# KiCad board OpenWaterHub.kicad_pcb (continued)
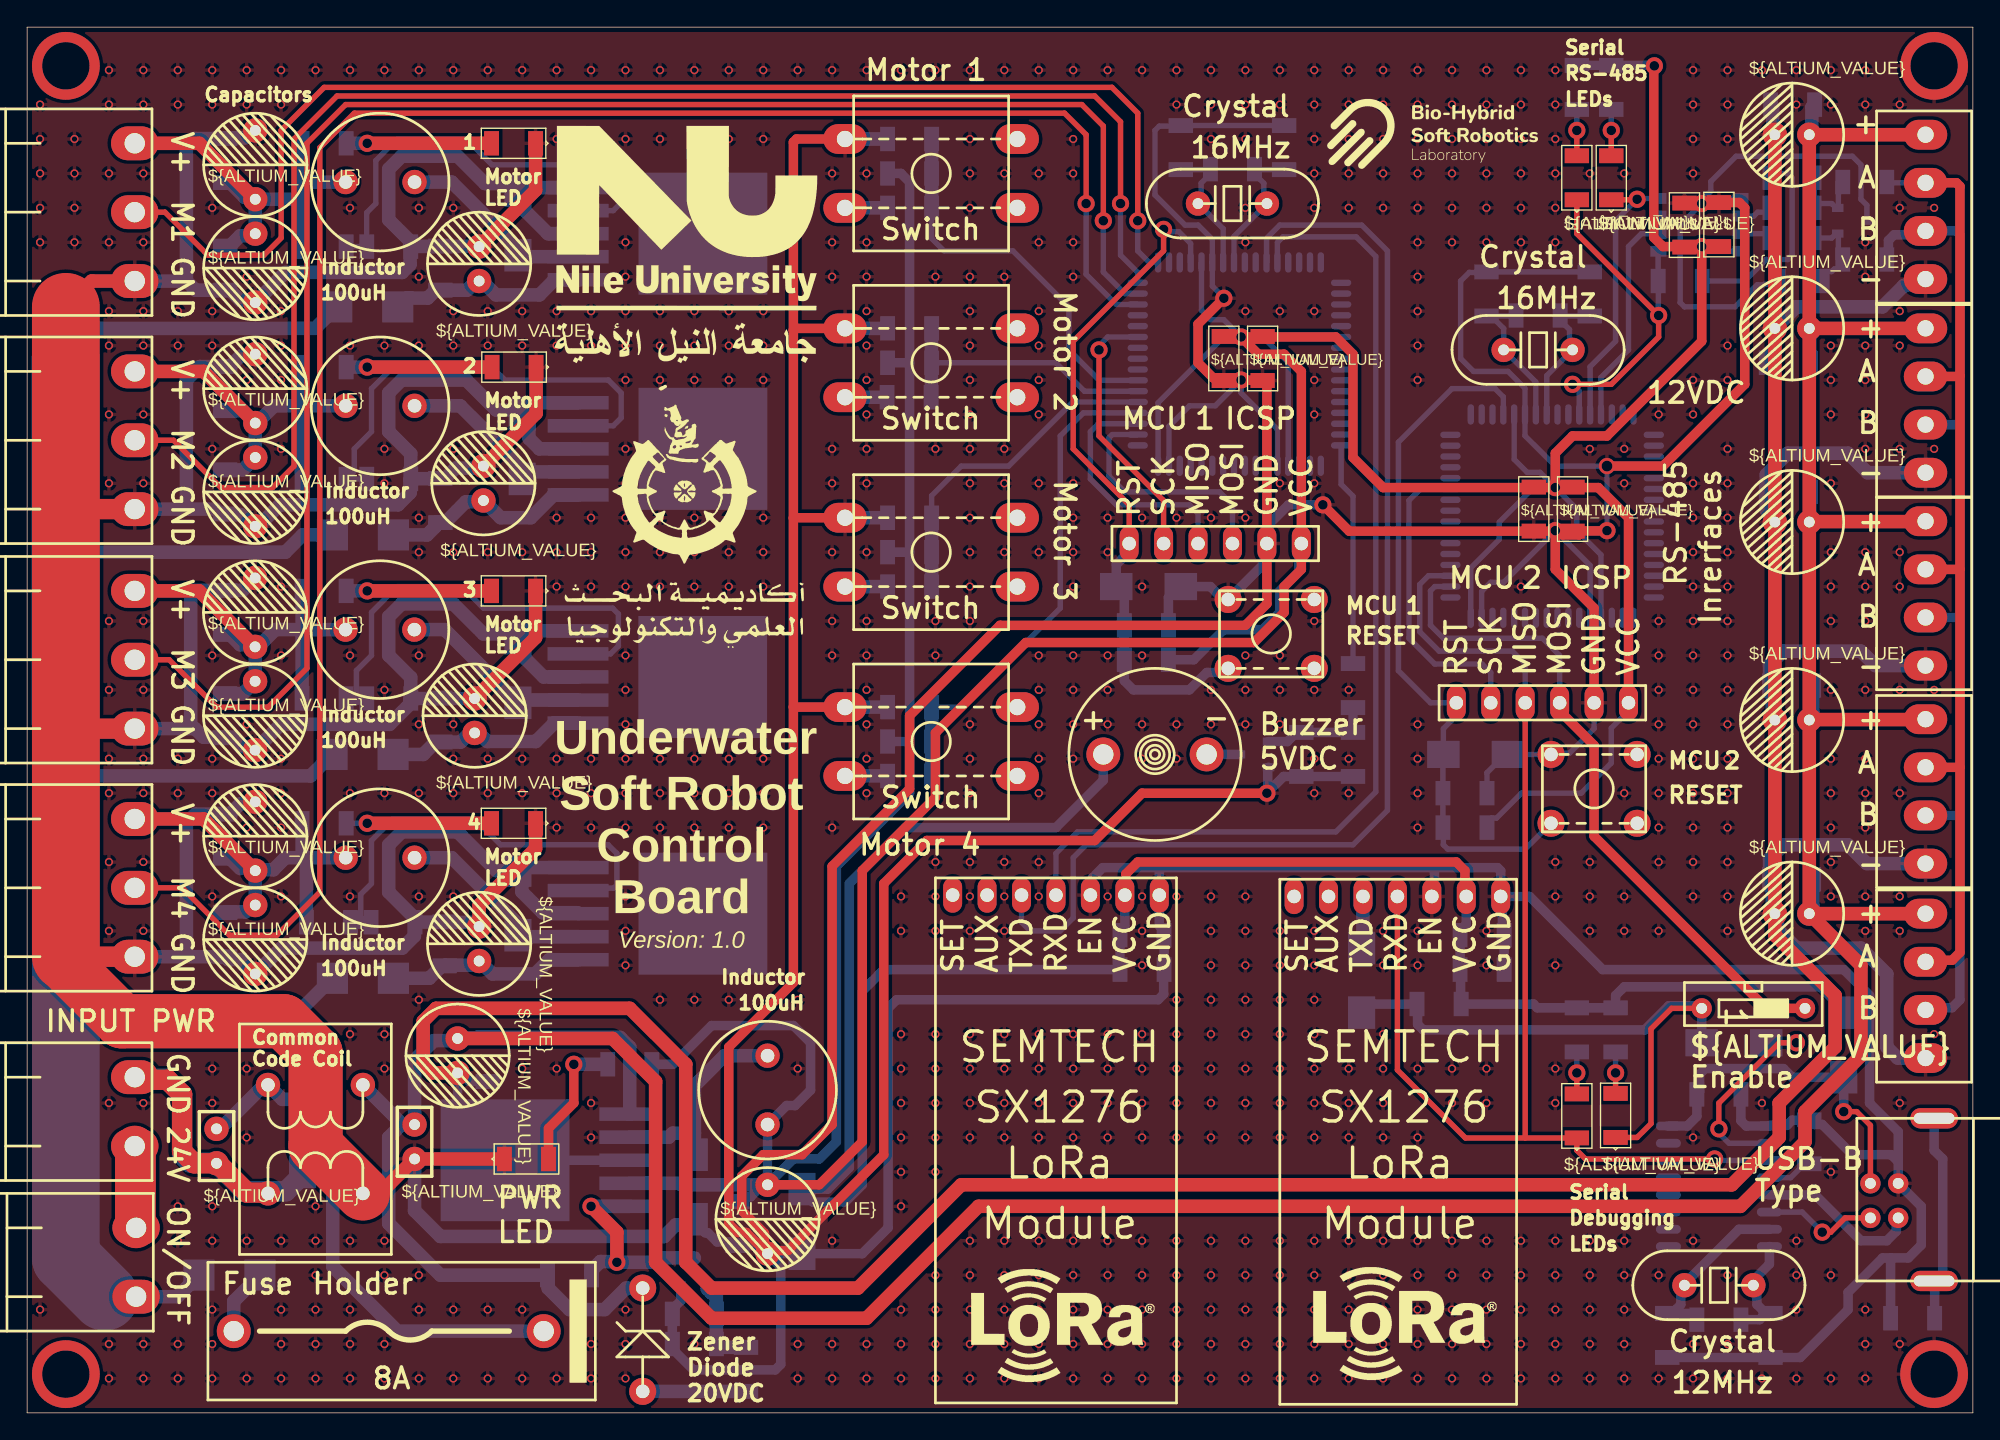
[diagram p0: board, top side]
## Routing (per net, layer and track width the routed paths; a pad name or vN(x,y) marks a point on that pad's centre or on a via; arc(x,y) is an arc through that point) (continued)
  vias: v1(140.65,99.38) v1(140.65,2.86) v2(0.95,96.52) v2(0.95,93.98) v2(0.95,91.44) v2(0.95,88.9) v2(0.95,86.36) v2(0.95,7.62) v2(3.49,93.98) v2(3.49,91.44) v2(3.49,88.9) v2(3.49,86.36) v2(6.03,99.06) v2(6.03,96.52) v2(6.03,91.44) v2(6.03,86.36) v2(6.03,81.28) v2(6.03,78.74) v2(6.03,73.66) v2(6.03,68.58) v2(6.03,58.42) v2(6.03,53.34) v2(6.03,48.26) v2(6.03,45.72) v2(6.03,40.64) v2(6.03,35.56) v2(6.03,22.86) v2(6.03,5.08) v2(6.03,2.54) v2(8.57,99.06) v2(8.57,96.52) v2(8.57,91.44) v2(8.57,86.36) v2(8.57,81.28) v2(8.57,78.74) v2(8.57,73.66) v2(8.57,68.58) v2(8.57,58.42) v2(8.57,53.34) v2(8.57,48.26) v2(8.57,45.72) v2(8.57,40.64) v2(8.57,35.56) v2(8.57,22.86) v2(8.57,5.08) v2(8.57,2.54) v2(11.11,99.06) v2(11.11,96.52) v2(11.11,81.28) v2(11.11,78.74) v2(11.11,48.26) v2(11.11,45.72) v2(11.11,15.24) v2(11.11,12.7) v2(11.11,5.08) v2(11.11,2.54) v2(13.65,99.06) v2(13.65,96.52) v2(13.65,88.9) v2(13.65,81.28) v2(13.65,78.74) v2(13.65,71.12) v2(13.65,55.88) v2(13.65,48.26) v2(13.65,45.72) v2(13.65,38.1) v2(13.65,25.4) v2(13.65,22.86) v2(13.65,15.24) v2(13.65,12.7) v2(13.65,7.62) v2(13.65,5.08) v2(13.65,2.54) v2(16.19,99.06) v2(16.19,96.52) v2(16.19,83.82) v2(16.19,76.2) v2(16.19,50.8) v2(16.19,43.18) v2(16.19,25.4) v2(16.19,20.32) v2(16.19,12.7) v2(16.19,2.54) v2(18.73,99.06) v2(18.73,96.52) v2(18.73,81.28) v2(18.73,78.74) v2(18.73,76.2) v2(18.73,71.12) v2(18.73,60.96) v2(18.73,55.88) v2(18.73,48.26) v2(18.73,45.72) v2(18.73,43.18) v2(18.73,38.1) v2(18.73,12.7) v2(18.73,7.62) v2(18.73,5.08) v2(18.73,2.54) v2(21.27,99.06) v2(21.27,15.24) v2(21.27,12.7) v2(21.27,10.16) v2(21.27,7.62) v2(21.27,5.08) v2(21.27,2.54) v2(23.81,99.06) v2(23.81,88.9) v2(23.81,78.74) v2(23.81,55.88) v2(23.81,45.72) v2(23.81,38.1) v2(23.81,27.94) v2(23.81,12.7) v2(23.81,7.62) v2(23.81,5.08) v2(23.81,2.54) v2(26.35,99.06) v2(26.35,78.74) v2(26.35,71.12) v2(26.35,68.58) v2(26.35,53.34) v2(26.35,45.72) v2(26.35,27.94) v2(26.35,25.4) v2(26.35,12.7) v2(26.35,10.16) v2(26.35,5.08) v2(26.35,2.54) v2(28.89,99.06) v2(28.89,88.9) v2(28.89,83.82) v2(28.89,78.74) v2(28.89,66.04) v2(28.89,63.5) v2(28.89,55.88) v2(28.89,50.8) v2(28.89,45.72) v2(28.89,38.1) v2(28.89,30.48) v2(28.89,10.16) v2(28.89,7.62) v2(28.89,2.54) v2(31.43,99.06) v2(31.43,88.9) v2(31.43,81.28) v2(31.43,78.74) v2(31.43,71.12) v2(31.43,63.5) v2(31.43,50.8) v2(31.43,48.26) v2(31.43,45.72) v2(31.43,38.1) v2(31.43,7.62) v2(31.43,2.54) v2(33.97,99.06) v2(33.97,81.28) v2(33.97,78.74) v2(33.97,63.5) v2(33.97,48.26) v2(33.97,45.72) v2(33.97,7.62) v2(33.97,2.54) v2(36.51,99.06) v2(36.51,81.28) v2(36.51,78.74) v2(36.51,63.5) v2(36.51,48.26) v2(36.51,45.72) v2(36.51,25.4) v2(36.51,7.62) v2(36.51,2.54) v2(39.05,99.06) v2(39.05,93.98) v2(39.05,81.28) v2(39.05,78.74) v2(39.05,66.04) v2(39.05,63.5) v2(39.05,60.96) v2(39.05,48.26) v2(39.05,45.72) v2(39.05,43.18) v2(39.05,25.4) v2(39.05,2.54) v2(41.59,99.06) v2(41.59,93.98) v2(41.59,81.28) v2(41.59,78.74) v2(41.59,66.04) v2(41.59,63.5) v2(41.59,60.96) v2(41.59,48.26) v2(41.59,45.72) v2(41.59,43.18) v2(41.59,22.86) v2(41.59,20.32) v2(41.59,5.08) v2(41.59,2.54) v2(44.13,99.06) v2(44.13,93.98) v2(44.13,86.36) v2(44.13,83.82) v2(44.13,81.28) v2(44.13,78.74) v2(44.13,76.2) v2(44.13,71.12) v2(44.13,68.58) v2(44.13,66.04) v2(44.13,63.5) v2(44.13,60.96) v2(44.13,55.88) v2(44.13,53.34) v2(44.13,50.8) v2(44.13,48.26) v2(44.13,45.72) v2(44.13,43.18) v2(44.13,38.1) v2(44.13,35.56) v2(44.13,33.02) v2(44.13,7.62) v2(44.13,5.08) v2(44.13,2.54) v2(46.67,99.06) v2(46.67,93.98) v2(46.67,81.28) v2(46.67,78.74) v2(46.67,76.2) v2(46.67,66.04) v2(46.67,63.5) v2(46.67,60.96) v2(46.67,48.26) v2(46.67,45.72) v2(46.67,43.18) v2(46.67,30.48) v2(49.21,99.06) v2(49.21,93.98) v2(49.21,81.28) v2(49.21,78.74) v2(49.21,76.2) v2(49.21,66.04) v2(49.21,63.5) v2(49.21,60.96) v2(49.21,48.26) v2(49.21,45.72) v2(49.21,43.18) v2(49.21,30.48) v2(49.21,5.08) v2(51.75,99.06) v2(51.75,93.98) v2(51.75,81.28) v2(51.75,78.74) v2(51.75,76.2) v2(51.75,66.04) v2(51.75,63.5) v2(51.75,60.96) v2(51.75,48.26) v2(51.75,45.72) v2(51.75,43.18) v2(51.75,30.48) v2(54.29,99.06) v2(54.29,93.98) v2(54.29,81.28) v2(54.29,78.74) v2(54.29,76.2) v2(54.29,66.04) v2(54.29,63.5) v2(54.29,60.96) v2(54.29,48.26) v2(54.29,45.72) v2(54.29,43.18) v2(56.83,99.06) v2(56.83,30.48) v2(56.83,25.4) v2(56.83,5.08) v2(56.83,2.54) v2(59.37,99.06) v2(59.37,91.44) v2(59.37,86.36) v2(59.37,83.82) v2(59.37,71.12) v2(59.37,68.58) v2(59.37,63.5) v2(59.37,58.42) v2(59.37,55.88) v2(59.37,43.18) v2(59.37,12.7) v2(59.37,5.08) v2(59.37,2.54) v2(61.91,99.06) v2(61.91,91.44) v2(61.91,86.36) v2(61.91,83.82) v2(61.91,81.28) v2(61.91,78.74) v2(61.91,76.2) v2(61.91,73.66) v2(61.91,71.12) v2(61.91,68.58) v2(61.91,63.5) v2(61.91,58.42) v2(61.91,55.88) v2(61.91,53.34) v2(61.91,50.8) v2(61.91,48.26) v2(61.91,45.72) v2(61.91,5.08) v2(61.91,2.54) v2(64.45,99.06) v2(64.45,38.1) v2(64.45,35.56) v2(64.45,27.94) v2(64.45,25.4) v2(64.45,22.86) v2(64.45,20.32) v2(64.45,17.78) v2(64.45,15.24) v2(64.45,7.62) v2(64.45,5.08) v2(64.45,2.54) v2(66.99,99.06) v2(66.99,83.82) v2(66.99,71.12) v2(66.99,58.42) v2(66.99,55.88) v2(66.99,40.64) v2(66.99,38.1) v2(66.99,35.56) v2(66.99,27.94) v2(66.99,25.4) v2(66.99,22.86) v2(66.99,20.32) v2(66.99,17.78) v2(66.99,10.16) v2(66.99,7.62) v2(66.99,5.08) v2(66.99,2.54) v2(69.53,99.06) v2(69.53,93.98) v2(69.53,91.44) v2(69.53,88.9) v2(69.53,83.82) v2(69.53,81.28) v2(69.53,78.74) v2(69.53,76.2) v2(69.53,73.66) v2(69.53,71.12) v2(69.53,68.58) v2(69.53,66.04) v2(69.53,63.5) v2(69.53,60.96) v2(69.53,58.42) v2(69.53,50.8) v2(69.53,48.26) v2(69.53,45.72) v2(69.53,40.64) v2(69.53,38.1) v2(69.53,35.56) v2(69.53,27.94) v2(69.53,25.4) v2(69.53,22.86) v2(69.53,20.32) v2(69.53,12.7) v2(69.53,10.16) v2(69.53,7.62) v2(69.53,5.08) v2(69.53,2.54) v2(72.07,99.06) v2(72.07,91.44) v2(72.07,83.82) v2(72.07,71.12) v2(72.07,68.58) v2(72.07,63.5) v2(72.07,40.64) v2(72.07,38.1) v2(72.07,35.56) v2(72.07,27.94) v2(72.07,25.4) v2(72.07,22.86) v2(72.07,20.32) v2(72.07,12.7) v2(72.07,10.16) v2(72.07,7.62) v2(72.07,5.08) v2(72.07,2.54) v2(74.61,99.06) v2(74.61,91.44) v2(74.61,86.36) v2(74.61,81.28) v2(74.61,78.74) v2(74.61,76.2) v2(74.61,73.66) v2(74.61,68.58) v2(74.61,63.5) v2(74.61,55.88) v2(74.61,53.34) v2(74.61,50.8) v2(74.61,48.26) v2(74.61,45.72) v2(74.61,40.64) v2(74.61,38.1) v2(74.61,27.94) v2(74.61,25.4) v2(74.61,22.86) v2(74.61,20.32) v2(74.61,12.7) v2(74.61,10.16) v2(74.61,7.62) v2(74.61,5.08) v2(74.61,2.54) v2(77.15,99.06) v2(77.15,93.98) v2(77.15,91.44) v2(77.15,86.36) v2(77.15,83.82) v2(77.15,68.58) v2(77.15,66.04) v2(77.15,63.5) v2(77.15,60.96) v2(77.15,55.88) v2(77.15,53.34) v2(77.15,50.8) v2(77.15,48.26) v2(77.15,27.94) v2(77.15,25.4) v2(77.15,22.86) v2(77.15,20.32) v2(77.15,12.7) v2(77.15,10.16) v2(77.15,7.62) v2(77.15,5.08) v2(77.15,2.54) v2(79.69,99.06) v2(79.69,66.04) v2(79.69,63.5) v2(79.69,55.88) v2(79.69,53.34) v2(79.69,50.8) v2(79.69,38.1) v2(79.69,27.94) v2(79.69,25.4) v2(79.69,22.86) v2(79.69,20.32) v2(79.69,12.7) v2(79.69,10.16) v2(79.69,7.62) v2(79.69,5.08) v2(79.69,2.54) v2(82.23,99.06) v2(82.23,66.04) v2(82.23,60.96) v2(82.23,55.88) v2(82.23,50.8) v2(82.23,48.26) v2(82.23,38.1) v2(82.23,35.56) v2(82.23,33.02) v2(82.23,27.94) v2(82.23,25.4) v2(82.23,22.86) v2(82.23,20.32) v2(82.23,12.7) v2(82.23,10.16) v2(82.23,7.62) v2(82.23,5.08) v2(82.23,2.54) v2(84.77,99.06) v2(84.77,96.52) v2(84.77,66.04) v2(84.77,50.8) v2(84.77,48.26) v2(84.77,38.1) v2(84.77,30.48) v2(84.77,27.94) v2(84.77,25.4) v2(84.77,22.86) v2(84.77,20.32) v2(84.77,12.7) v2(84.77,10.16) v2(84.77,7.62) v2(84.77,5.08) v2(84.77,2.54) v2(87.31,99.06) v2(87.31,96.52) v2(87.31,93.98) v2(87.31,66.04) v2(87.31,53.34) v2(87.31,50.8) v2(87.31,38.1) v2(87.31,35.56) v2(87.31,33.02) v2(87.31,30.48) v2(87.31,27.94) v2(87.31,25.4) v2(87.31,22.86) v2(87.31,20.32) v2(87.31,12.7) v2(87.31,10.16) v2(87.31,7.62) v2(87.31,5.08) v2(87.31,2.54) v2(89.85,99.06) v2(89.85,96.52) v2(89.85,93.98) v2(89.85,88.9) v2(89.85,86.36) v2(89.85,81.28) v2(89.85,66.04) v2(89.85,55.88) v2(89.85,53.34) v2(89.85,50.8) v2(89.85,38.1) v2(89.85,35.56) v2(89.85,33.02) v2(89.85,30.48) v2(89.85,27.94) v2(89.85,25.4) v2(89.85,22.86) v2(89.85,20.32) v2(89.85,12.7) v2(89.85,10.16) v2(89.85,7.62) v2(89.85,5.08) v2(89.85,2.54) v2(92.39,99.06) v2(92.39,96.52) v2(92.39,81.28) v2(92.39,68.58) v2(92.39,55.88) v2(92.39,53.34) v2(92.39,50.8) v2(92.39,35.56) v2(92.39,33.02) v2(92.39,30.48) v2(92.39,27.94) v2(92.39,25.4) v2(92.39,22.86) v2(92.39,20.32) v2(92.39,12.7) v2(92.39,10.16) v2(92.39,7.62) v2(92.39,5.08) v2(92.39,2.54) v2(94.93,99.06) v2(94.93,96.52) v2(94.93,93.98) v2(94.93,91.44) v2(94.93,88.9) v2(94.93,81.28) v2(94.93,76.2) v2(94.93,73.66) v2(94.93,68.58) v2(94.93,58.42) v2(94.93,53.34) v2(94.93,48.26) v2(94.93,45.72) v2(94.93,35.56) v2(94.93,33.02) v2(94.93,30.48) v2(94.93,27.94) v2(94.93,25.4) v2(94.93,22.86) v2(94.93,20.32) v2(94.93,12.7) v2(94.93,10.16) v2(94.93,7.62) v2(94.93,5.08) v2(94.93,2.54) v2(97.47,99.06) v2(97.47,96.52) v2(97.47,93.98) v2(97.47,91.44) v2(97.47,88.9) v2(97.47,53.34) v2(97.47,48.26) v2(97.47,45.72) v2(97.47,25.4) v2(97.47,22.86) v2(97.47,20.32) v2(97.47,12.7) v2(97.47,10.16) v2(97.47,7.62) v2(97.47,5.08) v2(97.47,2.54) v2(100.01,99.06) v2(100.01,96.52) v2(100.01,93.98) v2(100.01,91.44) v2(100.01,88.9) v2(100.01,35.56) v2(100.01,33.02) v2(100.01,27.94) v2(100.01,25.4) v2(100.01,22.86) v2(100.01,20.32) v2(100.01,12.7) v2(100.01,10.16) v2(100.01,7.62) v2(100.01,5.08) v2(100.01,2.54) v2(102.55,99.06) v2(102.55,96.52) v2(102.55,93.98) v2(102.55,91.44) v2(102.55,88.9) v2(102.55,86.36) v2(102.55,83.82) v2(102.55,81.28) v2(102.55,78.74) v2(102.55,76.2) v2(102.55,50.8) v2(102.55,48.26) v2(102.55,45.72) v2(102.55,43.18) v2(102.55,35.56) v2(102.55,33.02) v2(102.55,25.4) v2(102.55,20.32) v2(102.55,12.7) v2(102.55,10.16) v2(102.55,7.62) v2(102.55,5.08) v2(102.55,2.54) v2(105.09,99.06) v2(105.09,96.52) v2(105.09,93.98) v2(105.09,91.44) v2(105.09,88.9) v2(105.09,86.36) v2(105.09,25.4) v2(105.09,22.86) v2(105.09,12.7) v2(105.09,10.16) v2(105.09,7.62) v2(105.09,5.08) v2(105.09,2.54) v2(107.63,99.06) v2(107.63,96.52) v2(107.63,93.98) v2(107.63,91.44) v2(107.63,88.9) v2(107.63,86.36) v2(107.63,35.56) v2(107.63,33.02) v2(107.63,25.4) v2(107.63,22.86) v2(107.63,12.7) v2(107.63,10.16) v2(107.63,7.62) v2(107.63,5.08) v2(107.63,2.54) v2(110.17,99.06) v2(110.17,96.52) v2(110.17,93.98) v2(110.17,91.44) v2(110.17,88.9) v2(110.17,86.36) v2(110.17,60.96) v2(110.17,12.7) v2(110.17,10.16) v2(110.17,7.62) v2(110.17,5.08) v2(110.17,2.54) v2(112.71,99.06) v2(112.71,96.52) v2(112.71,93.98) v2(112.71,91.44) v2(112.71,88.9) v2(112.71,86.36) v2(112.71,40.64) v2(112.71,38.1) v2(112.71,33.02) v2(112.71,25.4) v2(112.71,22.86) v2(112.71,12.7) v2(112.71,10.16) v2(112.71,7.62) v2(112.71,5.08) v2(112.71,2.54) v2(115.25,91.44) v2(115.25,71.12) v2(115.25,40.64) v2(115.25,38.1) v2(115.25,35.56) v2(115.25,12.7) v2(115.25,10.16) v2(115.25,7.62) v2(115.25,5.08) v2(115.25,2.54) v2(117.79,91.44) v2(117.79,71.12) v2(117.79,68.58) v2(117.79,45.72) v2(117.79,38.1) v2(117.79,35.56) v2(117.79,12.7) v2(117.79,10.16) v2(117.79,7.62) v2(117.79,5.08) v2(117.79,2.54) v2(120.33,73.66) v2(120.33,58.42) v2(120.33,55.88) v2(120.33,53.34) v2(120.33,50.8) v2(120.33,48.26) v2(120.33,45.72) v2(120.33,43.18) v2(120.33,40.64) v2(120.33,35.56) v2(120.33,10.16) v2(120.33,2.54) v2(122.87,99.06) v2(122.87,96.52) v2(122.87,93.98) v2(122.87,91.44) v2(122.87,76.2) v2(122.87,73.66) v2(122.87,68.58) v2(122.87,66.04) v2(122.87,63.5) v2(122.87,60.96) v2(122.87,58.42) v2(122.87,55.88) v2(122.87,53.34) v2(122.87,50.8) v2(122.87,48.26) v2(122.87,45.72) v2(122.87,43.18) v2(122.87,40.64) v2(122.87,38.1) v2(122.87,20.32) v2(122.87,12.7) v2(122.87,5.08) v2(122.87,2.54) v2(125.41,99.06) v2(125.41,96.52) v2(125.41,93.98) v2(125.41,78.74) v2(125.41,76.2) v2(125.41,71.12) v2(125.41,68.58) v2(125.41,66.04) v2(125.41,63.5) v2(125.41,60.96) v2(125.41,58.42) v2(125.41,55.88) v2(125.41,53.34) v2(125.41,50.8) v2(125.41,48.26) v2(125.41,45.72) v2(125.41,43.18) v2(125.41,40.64) v2(125.41,38.1) v2(125.41,35.56) v2(125.41,10.16) v2(125.41,5.08) v2(125.41,2.54) v2(127.95,99.06) v2(127.95,22.86) v2(127.95,2.54) v2(130.49,99.06) v2(130.49,96.52) v2(130.49,12.7) v2(130.49,10.16) v2(130.49,7.62) v2(130.49,2.54) v2(133.03,99.06) v2(133.03,96.52) v2(133.03,78.74) v2(133.03,76.2) v2(133.03,73.66) v2(133.03,68.58) v2(133.03,63.5) v2(133.03,60.96) v2(133.03,58.42) v2(133.03,53.34) v2(133.03,48.26) v2(133.03,45.72) v2(133.03,43.18) v2(133.03,40.64) v2(133.03,38.1) v2(133.03,17.78) v2(133.03,10.16) v2(133.03,2.54) v2(135.57,99.06) v2(135.57,96.52) v2(135.57,86.36) v2(135.57,83.82) v2(135.57,78.74) v2(135.57,76.2) v2(135.57,73.66) v2(135.57,71.12) v2(135.57,63.5) v2(135.57,60.96) v2(135.57,58.42) v2(135.57,53.34) v2(135.57,48.26) v2(135.57,45.72) v2(135.57,43.18) v2(135.57,38.1) v2(135.57,35.56) v2(135.57,7.62) v2(135.57,5.08) v2(135.57,2.54) v2(138.11,96.52) v2(138.11,88.9) v2(138.11,81.28) v2(138.11,78.74) v2(138.11,71.12) v2(138.11,63.5) v2(138.11,60.96) v2(138.11,53.34) v2(138.11,45.72) v2(138.11,38.1) v2(138.11,35.56) v2(138.11,22.86) v2(138.11,5.08) v2(140.65,88.9) v2(140.65,71.12) v2(140.65,53.34) v2(140.65,27.94)
VCC: length 595.9
  Top Layer w0.7: H4.2 81.04,38.28 81.04,39.76 81.92,40.64 105.41,40.64 106.05,40 106.05,38.2 H3.2 ; 93.98,65.09 93.98,76.84 92.71,78.11 90.8,78.11 v4(89.54,79.38) 96.52,79.38 97.79,78.11 97.79,70.49 100.01,68.26 v4(112.71,68.26) ; C15.1 58.42,16.83 61.6,20 61.6,40.01 66.99,45.4 66.99,50.17 73.66,56.83 90.49,56.83 92.71,59.06 92.71,60.96 93.98,62.23 H2.1 ; v4(120.02,99.38) 119.98,99.34 119.98,86.71 120.65,86.04 v4(123.51,86.04) ; 122.26,86.02 123.49,86.02 123.51,86.01 123.51,79.06 116.52,72.07 113.98,72.07 112.71,70.8 v4(112.71,68.26) ; H1.1 118.11,66.04 115.89,68.26 v4(112.71,68.26)
  Bottom Layer w0.4: v4(112.71,68.26) 111.59,69.39 110.64,69.39 109.68,70.35 M1.21 ; v4(112.71,68.26) 111.13,68.26 108.58,65.72 108.58,64.45 106.48,62.35 M1.64 ; v4(112.71,68.26) 114.3,66.68 114.3,65.09 116.08,63.31 M1.52 ; v4(123.51,86.04) 123.53,86.02 123.53,83.52 R4.2 126.68,83.5 128.27,85.09 129.86,85.09 130.18,85.41 130.18,91.12 129.86,91.44 128.55,91.44 ; v4(89.54,79.38) 91.12,79.38 93.02,77.48 M2.52 ; v4(89.54,79.38) 88.27,79.38 83.42,74.53 M2.64 ; v4(89.54,79.38) 88.27,80.65 87.31,80.65 86.62,81.34 M2.21 ; 123.86,85.69 U1.8 ; H1.1 118.11,51.79 116.84,50.52 116.84,47.94 114.62,45.72 110.21,45.72 108.37,43.88 108.02,43.88 107.67,43.53 R33.1
  Bottom Layer w0.7: 65.09,49.53 65.09,45.72 59.69,40.32 59.69,20 58.42,18.73 56.52,18.73 C15.1 ; 65.09,49.53 R24.2 ; 65.09,49.53 65.09,63.5 ; 48.15,16.94 48.26,16.83 ; R30.2 65.09,63.5 ; 65.09,63.5 65.09,77.47 ; 119.98,99.41 R1.1 R2.1 ; 65.09,77.47 65.09,90.81 64.45,91.44 R31.2 ; 65.09,77.47 R23.2 ; C15.1 L2.2 56.01,22.68 56.65,22.68 57.79,23.81 57.79,27.31 56.52,28.58 50.48,28.58 47.62,25.72 R8.1 ; C15.1 54.25,16.83 53.37,15.94 52.74,15.94 C16.2 ; C15.1 56.83,16.83 D10.2 ; R37.1 86.04,55.56 88.27,57.79 91.12,57.79 92.39,59.06 92.39,60.64 93.8,62.05 93.8,63.95 H2.1 ; H4.2 80.96,35.95 80.61,35.59 C41.2 C42.2 63.18,32.7 61.6,31.12 61.6,16.83 60.33,15.56 57.95,15.56 57.15,16.36 D10.2 ; D10.2 59.05,16.51 60.64,18.1 60.64,39.05 64.77,43.18 75.88,43.18 79.38,46.67 LS1.1 ; H3.2 106.14,36.05 105.69,35.59 C61.2 C62.2 105.73,32.67 105.73,30.2 R29.1 111.11,30.16 111.39,29.88 R41.1 R42.1 117.16,30.8 117.79,31.43 132.28,31.43 133.99,29.73 D27.2
  Bottom Layer w1: 48.26,16.83 54.25,16.83 ; VR2.4 48.15,16.94
VIN: length 315.7
  Top Layer w0.4: 139.99,51.15 J5.4 ; C31.1 131.47,65.75 ; 139.99,65.75 J6.4 ; C29.1 131.47,51.15
  Top Layer w1: J8.4 C20.1 C1.1 ; C1.1 J9.4 ; C1.1 C31.1 C29.1 C17.1 ; C17.1 J1.4 ; C17.1 135.25,33.02 135.25,26.35 131.13,22.23 131.13,20 126.36,15.24 70.17,15.24 61.91,6.99 50.48,6.99 46.36,11.11 46.36,24.45 43.18,27.62 C7.1 ; 131.47,65.75 139.99,65.75 ; 131.47,51.15 139.99,51.15
  Bottom Layer w0.4: 131.48,77.51 C32.2 ; C1.1 131.48,79.97
  Bottom Layer w1: 131.48,77.51 131.48,79.97 ; C4.2 131.71,39.32 131.71,37.31 131.44,37.05 C17.1 ; C30.2 131.48,67.91 131.48,65.76 C31.1 ; T1.2 27.42,21.54 ; VR2.1 44.45,26.99 43.74,27.7 C14.2 33.94,27.66 31.79,27.66 C7.1 31.59,27.46 30,27.46 28.58,26.04 C10.2 27.62,21.27 26.67,20.32 26.67,13.97 30.48,10.16 R7.1 38.43,10.11 38.43,9.19 40,7.62 42.59,7.62 44.18,9.21 D11.2 ; C21.2 131.64,96.32 131.64,94.49 C20.1 ; C29.1 131.44,51.33 131.71,51.6 131.71,53.61 C18.2
(no net):
  vias: v1(2.86,99.38) v1(2.86,2.86)
A: length 72.8
  Top Layer w0.7: 142.56,62.23 142.56,76.52 ; 142.56,62.23 142.56,47.63 ; 142.56,62.23 J6.3 ; 142.56,76.52 142.5,76.46 J9.3 ; 142.56,76.52 142.56,90.49 142.3,90.75 J8.3 ; 142.56,47.63 142.56,33.97 141.98,33.4 140.14,33.4 J1.3 ; 142.56,47.63 J5.3
  Bottom Layer w0.4: 136.88,90.81 136.94,90.75 J8.3
B: length 74.2
  Bottom Layer w0.7: 142.56,44.13 142.5,44.08 J5.2 ; 142.56,44.13 142.56,58.74 ; 142.56,44.13 142.56,30.48 141.96,29.89 140.17,29.89 J1.2 ; 142.56,58.74 142.56,73.03 ; 142.56,58.74 142.5,58.68 J6.2 ; 142.56,73.03 142.44,72.91 J9.2 ; 142.56,73.03 142.56,86.96 142.32,87.2 J8.2 139.73,86.91 137.69,86.91 137.28,86.5 137.28,85.21 R11.2
NetC5_1: length 15.1
  Bottom Layer w1: D2.2 29.66,32.07 30.4,32.8 30.4,32.93 30.45,32.98 C6.2 30.85,33.03 32.82,33.03 33.12,33.34 33.37,33.34 34.32,32.39 37.47,32.39 38.51,33.43 VR1.1
NetC8_1: length 31.4
  Top Layer w1: J3.3 13.02,43.82 C8.1
  Bottom Layer w1: C11.2 14.66,36.95 16.1,36.95 16.61,37.47 C9.1 C8.1 16.89,40.07 18.16,40.07 19.05,40.96 20.32,40.96 ; R5.2 20.6,40.6 ; R3.1 20.28,40.99 20.32,40.96 ; 20.32,40.96 L1.2 ; J3.3 8.44,43.82 ; C12.2 14.95,40.92 15.72,40.16
NetC13_1: length 35.2
  Top Layer w1.5: J4.2 8.13,24.57 10.35,24.57 11.43,23.5 11.43,19.29 12.31,18.42 C13.1 14.05,18.42 16.22,16.25 17.71,16.25 T1.3
  Bottom Layer w1.5: J4.2 8.05,24.65 10.27,24.65 11.43,23.5 11.43,19.05 12.02,18.46 13.92,18.46 C13.1 16.04,16.35 17.61,16.35 T1.3 17.92,16.35 19.09,16.35 20.32,17.58 D7.1
NetC13_2: length 38.6
  Bottom Layer w1: C13.2 14.25,20.96 17.49,24.19 T1.1 18.83,23.13 19.73,23.13 D7.2 20.32,22.34 22.54,20.12 22.54,10.8 27.31,6.03 F1.2
NetC19_2: length 6.8
  Bottom Layer w1: R15.2 51.08,4.84 C19.2 R16.1 50.84,8.61 50.6,8.84 50.48,8.84 50.16,9.16 Q1.2
NetC22_1: length 15.1
  Bottom Layer w1: VR3.1 38.88,50.89 37.51,49.53 33.94,49.53 33.31,50.17 32.65,50.17 31.98,49.49 C23.2 30.13,49.49 29.21,48.58 D14.2
NetC24_1: length 33.5
  Top Layer w1: J7.3 12.69,60.64 C24.1
  Bottom Layer w1: 20.32,57.79 18.3,57.79 17.03,56.52 C24.1 ; 20.32,57.79 20.28,57.75 R19.2 ; 20.32,57.79 20.28,57.82 R17.1 ; 20.32,57.79 L3.2 ; C27.2 15.9,53.06 C25.1 C24.1 ; C24.1 16.66,56.67 15.72,56.67 14.95,57.43 C28.2
NetC26_2: length 8.3
  Bottom Layer w0.7: Q2.2 92.96,49.53 93.63,50.2 R20.2 C26.2 R18.2
NetC33_1: length 16.1
  Bottom Layer w1: D17.2 29.49,64.77 30.08,65.36 30.08,65.64 30.13,65.69 C36.2 30.53,65.74 30.88,65.74 32.36,67.21 33.56,67.21 C33.1 34.92,66.04 37.15,66.04 38.83,67.72 VR4.1
NetC37_1: length 33.7
  Top Layer w1: C37.1 13.02,76.84 J10.3
  Bottom Layer w1: C37.1 C38.1 15.91,69.57 C39.2 ; C37.1 15.91,73.94 C40.2 ; C37.1 16.94,73.03 18.21,74.3 20.28,74.3 ; 20.28,74.3 R27.2 ; 20.28,74.3 R22.1 ; 20.28,74.3 L4.2
NetC48_2: length 10.8
  Bottom Layer w0.4: C48.2 107.98,80.93 ; 107.98,80.93 109.78,80.93 R35.1 ; 107.98,80.93 108.9,80.01 Y1.1 111.28,76.05 M1.23
NetC49_2: length 10.7
  Bottom Layer w0.4: C49.2 113.1,80.93 R35.2 113.07,80.61 113.76,79.92 113.76,78.65 Y1.2 112.08,76.52 M1.24
NetC51_1: length 15
  Bottom Layer w1: VR5.1 38.9,83.6 37.78,82.48 34.58,82.48 33.55,83.5 C51.1 33.12,83.5 32.45,82.83 C54.2 30.13,82.83 29.55,82.25 27.98,82.25 D22.2
NetC55_1: length 32.7
  Top Layer w1: C56.1 12.7,93.66 J11.3
  Bottom Layer w1: 20.28,90.81 R36.1 ; 20.28,90.81 20.28,89.54 ; 20.28,90.81 L5.2 ; C57.2 14.95,86.08 15.72,86.84 16.67,86.84 C55.1 C56.1 ; 20.28,89.54 20.28,86.12 ; 20.28,89.54 C56.1 ; C56.1 16.67,89.69 16.03,89.69 14.95,90.77 C58.2
NetC59_2: length 10.2
  Bottom Layer w0.4: C59.2 87.24,91.72 R38.1 87.28,91.41 86.59,90.72 86.59,89.44 Y2.1 88.22,87.36 M2.23
NetC60_2: length 10.5
  Bottom Layer w0.4: M2.24 89.02,86.79 Y2.2 91.21,89.44 91.21,90.72 90.52,91.41 R38.2 90.56,91.72 C60.2
NetC64_2: length 3.4
  Bottom Layer w0.4: M3.4 130.07,17.35 131.1,18.38 C64.2
NetC65_2: length 12.9
  Bottom Layer w0.7: C65.2 121.32,7.34 ; 121.32,7.34 121.97,7.99 121.97,9.15 Y3.1 122.24,9.53 126.26,13.54 M3.7 ; 121.32,7.34 122.8,7.34 123.15,6.99 R43.1
NetC66_2: length 8.2
  Bottom Layer w0.7: 128.24,7.34 127.59,7.99 127.59,9.15 Y3.2 127.32,9.8 128.5,10.98 M3.8 ; 128.24,7.34 C66.2 ; 128.24,7.34 127.77,6.88 R43.2
NetC67_2: length 15.4
  Bottom Layer w0.7: C67.2 140.69,9.7 J12.S2 140.78,9.73 141.29,10.24 141.29,18.73 140.65,19.37 J12.S1
NetD1_1: length 10.7
  Top Layer w1: v4(25.08,43.5) D1.1
  Bottom Layer w0.4: R3.2 v4(25.08,43.5)
NetD3_1: length 3.4
  Top Layer w0.4: D3.1 v4(116.84,94.62)
  Bottom Layer w0.4: v4(116.84,94.62) R1.2
NetD4_1: length 3.4
  Top Layer w0.4: D4.1 v4(114.3,94.62)
  Bottom Layer w0.4: v4(114.3,94.62) R2.2
NetD5_2: length 4.9
  Bottom Layer w1: D5.2 15.24,8.23 F1.1
NetD6_1: length 10.3
  Top Layer w0.7: D6.1 38.45,20.99 40.32,22.86 v4(40.32,25.72)
  Bottom Layer w1: v4(40.32,25.72) R8.2
NetD8_2: length 14.6
  Bottom Layer w1: L1.1 31.31,40.96 36.2,36.08 36.2,35.93 37,35.13 VR1.2
NetD9_2: length 16.3
  Bottom Layer w1: 49.21,20.64 47.62,20.64 47.33,20.34 VR2.2 ; 49.21,20.64 D9.2 ; 49.21,20.64 49.21,24.13 51.43,26.35 L2.1
NetD11_1: length 7.6
  Bottom Layer w1: D11.1 R15.1
NetD12_2: length 6.4
  Bottom Layer w0.4: R10.2 133.1,86.68 133.42,87 D12.2 133.59,86.96 133.59,85.13 133.63,85.09 ; R11.1 133.91,84.74 133.56,84.39 133.29,84.39 133.1,84.2 132.75,84.2 132.4,83.85 R6.1
NetD12_3: length 6
  Bottom Layer w0.4: 131.8,91.44 131.8,89.22 133.1,89.22 133.42,88.9 D12.3 133.59,88.94 133.59,90.76 133.63,90.81
NetD13_1: length 10.7
  Top Layer w1: v4(25.08,60.64) D13.1
  Bottom Layer w1: R17.2 v4(25.08,60.64)
NetD15_2: length 14.3
  Bottom Layer w1: D15.2 36.2,52.59 35.7,53.09 35.5,53.09 30.8,57.79 L3.1 ; 36.31,52.59 VR3.2
NetD16_1: length 10.8
  Top Layer w1: v4(25.08,77.15) D16.1
  Bottom Layer w1: R22.2 v4(25.08,77.15)
NetD18_2: length 14.2
  Bottom Layer w1: VR4.2 36.63,69.42 36.51,69.53 36.51,69.73 31.95,74.3 L4.1
NetD19_2: length 3.9
  Bottom Layer w0.4: D19.2 98.52,34.39
  Bottom Layer w1: 98.52,34.39 H3.5
NetD21_1: length 10.7
  Top Layer w1: v4(25.08,93.66) D21.1
  Bottom Layer w1: R36.2 v4(25.08,93.66)
NetD24_2: length 14.5
  Bottom Layer w1: L5.1 31.31,90.81 36.51,85.61 36.51,85.41 36.63,85.29 VR5.2
NetD25_1: length 3.1
  Top Layer w0.4: D25.1 v4(114.3,25.08)
  Bottom Layer w0.4: v4(114.3,25.08) R41.2
NetD26_1: length 3.1
  Top Layer w0.4: D26.1 v4(117.16,25.08)
  Bottom Layer w0.4: v4(117.16,25.08) R42.2
NetD28_2: length 16
  Top Layer w0.4: v4(130.49,27.31) 129.22,27.31 124.78,22.86 v4(124.78,20.96)
  Bottom Layer w0.4: v4(124.78,20.96) 124.78,20.64 125.52,19.89 M3.2 ; D28.2 v4(130.49,27.31)
NetH1_3: length 49.8
  Top Layer w0.7: SW1.2 128.27,29.85 115.57,42.55 115.57,49.25 113.03,51.79 H1.3
  Bottom Layer w0.4: M1.2 103.82,60.96 103.51,60.64 103.51,58.1 104.46,57.15 111.76,57.15 113.03,55.88 H1.3
NetJ2_2: length 12.1
  Top Layer w3: J4.1 7.99,19.64 7.99,13.7 J2.2
  Bottom Layer w0.254: 7.99,13.7 J2.2 ; J4.1 7.99,19.64
  Bottom Layer w3: 7.99,13.7 7.99,19.64
NetLS1_2: length 2.4
  Bottom Layer w0.7: LS1.2 Q2.1
NetQ1_1: length 16.1
  Top Layer w1: v4(43.5,11.11) 43.5,13.34 v4(41.59,15.24)
  Bottom Layer w1: Q1.1 46.89,11.43 46.57,11.11 v4(43.5,11.11) 43.45,11.16 42.28,11.16 41.63,10.51 R7.2 ; v4(41.59,15.24) VR2.5
NetR5_1: length 32.3
  Bottom Layer w0.4: VR1.4 40.83,38.71 43.26,38.71 43.5,38.95 43.5,41.28 42.86,41.91 34.92,41.91 33.02,43.82 26.99,43.82 25.4,42.22 25.4,39.05 24.61,38.26 24.61,36.2
  Bottom Layer w1: R5.1 24.61,36.2
NetR10_1: length 2.3
  Bottom Layer w0.4: R10.1 128.23,86.99 U1.7
NetR12_1: length 2.4
  Bottom Layer w0.4: U1.6 127.35,88.29 127.63,88.58 128.23,88.58 R12.1
NetR19_1: length 33
  Bottom Layer w0.4: 24.29,52.71 24.29,54.77 25.4,55.88 25.4,59.06 27.31,60.96 32.07,60.96 33.66,59.37 43.18,59.37 43.61,58.94 43.61,56.58 43.02,55.99 VR3.4
  Bottom Layer w1: R19.1 24.29,52.71
NetR25_1: length 3.1
  Bottom Layer w1: SW2.2 R25.1
NetR26_1: length 3.1
  Bottom Layer w1: SW3.2 R26.1
NetR27_1: length 34.5
  Bottom Layer w0.4: VR4.4 43.23,72.82 43.81,73.41 43.81,75.25 42.86,76.2 35.24,76.2 33.97,77.47 27.31,77.47 25.4,75.57 25.4,72.39 24.13,71.12 24.13,69.48 23.94,69.3 23.58,69.3 23.53,69.25 R27.1 R28.2
NetR32_1: length 3.1
  Bottom Layer w1: SW4.2 R32.1
NetR34_1: length 3.1
  Bottom Layer w1: SW5.2 R34.1
NetR39_1: length 33.3
  Bottom Layer w0.4: R39.1 R40.2 25.05,88.55 25.72,89.22 25.72,92.39 27.31,93.98 32.39,93.98 34.29,92.08 42.86,92.08 43.81,91.12 43.81,89.28 43.23,88.7 VR5.4
PA3: length 16.5
  Bottom Layer w0.4: R18.1 97.79,67.63 96.92,68.5 M2.48
PB1: length 19.7
  Top Layer w0.4: H2.5 83.82,67.31 79.06,72.07 v4(79.06,78.42)
  Bottom Layer w0.4: v4(79.06,78.42) 79.06,78.74 79.69,79.38 M2.11
PB1': length 22.9
  Bottom Layer w0.4: M1.11 102.77,68.16 101.92,67.31 101.92,57.15 103.82,55.25 107.32,55.25 107.95,54.61 H1.5
PB4: length 144.6
  Top Layer w0.4: v4(78.11,89.22) 78.11,94.3 76.52,95.89 24.13,95.89 21.59,93.35 21.59,38.42 18.42,35.24 14.92,35.24 11.43,38.74 J3.2
  Bottom Layer w0.4: v4(78.11,89.22) 78.11,84 80.33,81.78 M2.14
PB5: length 128.6
  Top Layer w0.4: v4(79.38,87.95) 79.38,94.93 77.79,96.52 23.5,96.52 20.64,93.66 20.64,54.93 17.78,52.07 13.97,52.07 10.48,55.56 J7.2
  Bottom Layer w0.4: v4(79.38,87.95) 79.38,84.16 80.96,82.58 M2.15
PB6: length 113.4
  Top Layer w0.4: v4(80.64,89.22) 80.64,95.25 78.74,97.16 22.86,97.16 19.69,93.98 19.69,69.85 18.1,68.26 14.29,68.26 10.8,71.76 J10.2
  Bottom Layer w0.4: v4(80.64,89.22) 80.64,85.41 81.92,84.14 M2.16
PB7: length 97.9
  Top Layer w0.4: J11.2 10.16,88.58 13.34,85.41 17.46,85.41 18.73,86.68 18.73,94.62 21.91,97.79 80.01,97.79 81.92,95.89 v4(81.92,87.95)
  Bottom Layer w0.4: v4(81.92,87.95) 81.92,85.73 82.76,84.88 M2.17
PD2: length 88.7
  Bottom Layer w0.4: H4.5 73.34,36.2 73.98,35.56 76.2,35.56 77.15,36.51 77.15,40.96 78.11,41.91 97.79,41.91 100.33,44.45 100.33,85.73 98.42,87.63 92.39,87.63 91.42,86.65 M2.27
PD2': length 27.6
  Top Layer w0.4: D4.2 114.3,87 v4(120.33,80.96) 120.33,79.38 116.84,75.88 v4(113.98,75.88)
  Bottom Layer w0.4: v4(113.98,75.88) 114.48,75.39 M1.27 ; U1.1 120.3,85.68 R4.1 120.31,83.48 120.31,80.98 v4(120.33,80.96)
PD3: length 77.5
  Bottom Layer w0.4: H4.4 75.88,41.28 77.47,42.86 96.52,42.86 99.47,45.81 99.47,85.31 98.02,86.76 92.63,86.76 92.22,86.35 M2.28
PD3': length 20.8
  Top Layer w0.4: D3.2 118.71,89.5 v4(118.74,89.54)
  Bottom Layer w0.4: M1.28 115.28,77.18 117.16,79.06 117.16,87.95 118.8,89.59 U1.4
PD4': length 17.1
  Bottom Layer w0.4: M1.29 116.08,76.39 118.11,78.42 118.11,86.04 119.06,86.99 U1.2 U1.3
PE0: length 16.9
  Bottom Layer w0.4: 88.9,65.09 88.9,66.99 87.95,67.95 80.96,67.95 79.8,69.11 79.8,71.94 80.03,72.18 M2.2
PE0': length 44.7
  Top Layer w0.4: D26.2 118.74,20.32 119.77,21.35 119.77,28.33 121.29,29.85 SW1.1
  Bottom Layer w0.7: D28.1 SW1.1 123.31,30.04 121.08,30.04 119.3,28.26 102.97,28.26 102.55,28.67 102.55,30.12 R29.2 99.06,30.16 D19.1
PE1: length 18.4
  Bottom Layer w0.4: H2.4 86.36,66.36 85.73,66.99 80.33,66.99 78.42,68.9 78.42,72.39 79.01,72.98 M2.3
PE1': length 93.3
  Top Layer w0.4: v4(124.46,18.73) 114.93,18.73 114.3,19.37 D25.2 110.49,20.28 ; 110.49,20.28 H1.4 ; 110.49,20.28 106.08,20.28 101.07,25.3 H3.4
  Bottom Layer w0.4: M3.3 124.57,18.62 v4(124.46,18.73) ; M1.3 103.35,61.76 102.71,61.12 102.71,57.63 104.14,56.2 109.54,56.2 110.49,55.25 H1.4
PE2: length 36.7
  Bottom Layer w0.4: M2.4 77.9,73.78 76.2,72.07 76.2,59.37 68.9,52.07 C35.2
  Bottom Layer w1: C35.2 R24.1 R26.2
PE3: length 24.8
  Bottom Layer w0.4: C43.2 66.71,67.66 68.9,69.85 72.39,69.85 77.12,74.58 M2.5
  Bottom Layer w1: R32.2 R30.1 C43.2
PE4: length 21.2
  Bottom Layer w0.4: M2.6 77.98,75.38 75.88,77.47 R23.1 ; R25.2 66.69,74.95 ; 66.69,79.99 C34.2
  Bottom Layer w1: 66.69,74.95 66.69,79.99
PE5: length 28.7
  Bottom Layer w0.4: R34.2 66.71,86.64 67.63,85.73 72.71,85.73 76.83,81.6 76.83,78.42 79.08,76.18 M2.7
  Bottom Layer w1: C44.2 R31.1 R34.2
RESET: length 50.8
  Top Layer w0.4: v4(83.82,87.31) 83.82,85.73 77.15,79.06 77.15,71.12 81.28,66.99 H2.6
  Bottom Layer w0.4: M2.20 85.82,86.27 84.94,87.15 83.99,87.15 v4(83.82,87.31)
  Bottom Layer w0.7: SW7.2 88.28,54.62 87.01,54.62 85.73,53.34 81.6,53.34 80.93,54.01 R37.2 C50.2 80.93,60.36 D23.2 80.33,62.58 81.28,63.54 H2.6
